# KiCad board nyx.kicad_pcb (continued)
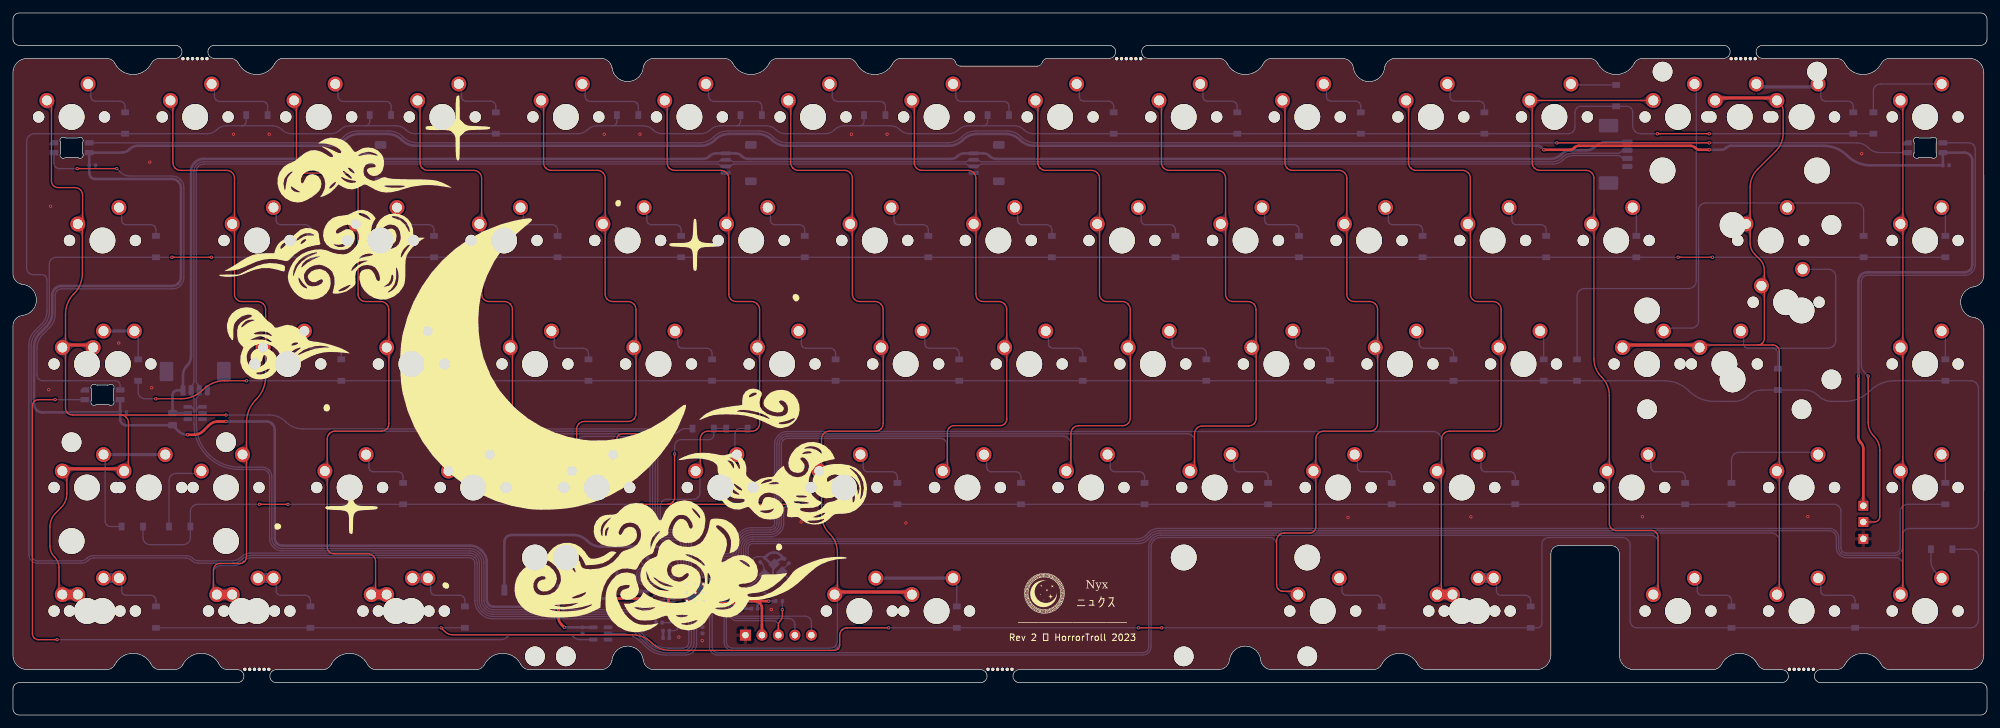
[diagram p0: board, top side]
## Nets
+1V1: C11.1 C12.1 C15.1 U3.23 U3.45 U3.50
+3V3: C2.1 C3.1 C4.1 C5.1 C6.1 C7.1 C8.1 C9.1 C10.1 C14.1 C18.1 J2.2 R3.1 RG1.2 U1.8 U3.1 U3.10 U3.22 U3.33 U3.42 U3.43 U3.44 U3.48 U3.49
+5V: C16.1 C17.1 C19.1 C20.1 C21.1 F1.2 J7.1 LED1.1 LED2.1 LED3.1 RG1.3 U2.5
GND: C1.2 C2.2 C3.2 C4.2 C5.2 C6.2 C7.2 C8.2 C9.2 C10.2 C11.2 C12.2 C13.2 C14.2 C15.2 C16.2 C17.2 C18.2 C19.2 C20.2 C21.2 ESD1.2 J1.4 J2.1 J3.4 J4.1 J5.4 J6.4 J7.3 LED1.4 LED2.4 LED3.4 RG1.1 SW1.1 U1.4 U1.9 U2.3 U3.19 U3.57 Y1.2 Y1.4
VBUS: ESD1.5 F1.1 J1.1 J3.1 J4.4 J5.1 J6.1
/DM: ESD1.6 J1.2 J3.2 J4.3 J5.2 J6.2 R5.2
/DP: ESD1.1 J1.3 J3.3 J4.2 J5.3 J6.3 R4.2
/~{USB_BOOT}: R2.1 SW1.2
ARGB_3V3: U2.2 U3.35
ARGB_5V: LED1.3 U2.4
Col0: MX1.1 MX16.1 MX31.1 MX45.1 MX59.1 MX73.1 MX78.1 MX79.1 U3.5
Col1: MX2.1 MX17.1 MX32.1 MX60.1 MX72.2 MX74.1 U3.36
Col2: MX3.1 MX18.1 MX33.1 MX46.1 MX61.1 MX75.1 U3.4
Col3: MX4.1 MX19.1 MX34.1 MX47.1 U3.3
Col4: MX5.1 MX20.1 MX35.1 MX48.1 U3.2
Col5: MX6.1 MX21.1 MX36.1 MX49.1 U3.6
Col6: MX7.1 MX22.1 MX37.1 MX50.1 MX62.1 MX76.1 U3.27
Col7: MX8.1 MX23.1 MX38.1 MX51.1 U3.14
Col8: MX9.1 MX24.1 MX39.1 MX52.1 U3.13
Col9: MX10.1 MX25.1 MX40.1 MX53.1 U3.12
Col10: MX11.1 MX26.1 MX41.1 MX54.1 MX63.1 U3.30
Col11: MX12.1 MX27.1 MX42.1 MX55.1 MX64.1 MX77.1 U3.11
Col12: MX13.1 MX28.1 MX56.1 MX65.1 MX70.1 U3.29
Col13: MX14.1 MX29.1 MX43.1 MX57.1 MX66.1 MX68.1 MX69.1 MX71.1 U3.18
Col14: MX15.1 MX30.1 MX44.1 MX58.1 MX67.1 U3.17
D+: R4.1 U3.47
D-: R5.1 U3.46
FLASH_nCS: R2.2 U1.1 U3.56
FLASH_SCK: U1.6 U3.52
FLASH_SD0: U1.5 U3.53
FLASH_SD1: U1.2 U3.55
FLASH_SD2: U1.3 U3.54
FLASH_SD3: U1.7 U3.51
Row0: D1.1 D2.1 D3.1 D4.1 D5.1 D6.1 D7.1 D8.1 D9.1 D10.1 D11.1 D12.1 D13.1 D14.1 D15.1 U3.37
Row1: D16.1 D17.1 D18.1 D19.1 D20.1 D21.1 D22.1 D23.1 D24.1 D25.1 D26.1 D27.1 D28.1 D29.1 D30.1 U3.38
Row2: D31.1 D32.1 D33.1 D34.1 D35.1 D36.1 D37.1 D38.1 D39.1 D40.1 D41.1 D42.1 D43.1 D44.1 D68.1 U3.16
Row3: D45.1 D46.1 D47.1 D48.1 D49.1 D50.1 D51.1 D52.1 D53.1 D54.1 D55.1 D56.1 D57.1 D58.1 D69.1 U3.15
Row4: D59.1 D60.1 D61.1 D62.1 D63.1 D64.1 D65.1 D66.1 D67.1 U3.28
SWCLK: J2.5 U3.24
SWDIO: J2.4 U3.25
UG_LED: J7.2 LED3.2
XTAL1: C1.1 U3.20 Y1.3
XTAL2: R1.1 U3.21
~{NRST}: J2.3 R3.2 U3.26
Net-(C13-Pad1): C13.1 R1.2 Y1.1
Net-(D1-A): D1.2 MX1.2
Net-(D2-A): D2.2 MX2.2
Net-(D3-A): D3.2 MX3.2
Net-(D4-A): D4.2 MX4.2
Net-(D5-A): D5.2 MX5.2
Net-(D6-A): D6.2 MX6.2
Net-(D7-A): D7.2 MX7.2
Net-(D8-A): D8.2 MX8.2
Net-(D9-A): D9.2 MX9.2
Net-(D10-A): D10.2 MX10.2
Net-(D11-A): D11.2 MX11.2
Net-(D12-A): D12.2 MX12.2
Net-(D13-A): D13.2 MX13.2
Net-(D14-A): D14.2 MX14.2 MX68.2
Net-(D15-A): D15.2 MX15.2
Net-(D16-A): D16.2 MX16.2
Net-(D17-A): D17.2 MX17.2
Net-(D18-A): D18.2 MX18.2
Net-(D19-A): D19.2 MX19.2
Net-(D20-A): D20.2 MX20.2
Net-(D21-A): D21.2 MX21.2
Net-(D22-A): D22.2 MX22.2
Net-(D23-A): D23.2 MX23.2
Net-(D24-A): D24.2 MX24.2
Net-(D25-A): D25.2 MX25.2
Net-(D26-A): D26.2 MX26.2
Net-(D27-A): D27.2 MX27.2
Net-(D28-A): D28.2 MX28.2
Net-(D29-A): D29.2 MX29.2 MX69.2
Net-(D30-A): D30.2 MX30.2
Net-(D31-A): D31.2 MX31.2 MX78.2
Net-(D32-A): D32.2 MX32.2
Net-(D33-A): D33.2 MX33.2
Net-(D34-A): D34.2 MX34.2
Net-(D35-A): D35.2 MX35.2
Net-(D36-A): D36.2 MX36.2
Net-(D37-A): D37.2 MX37.2
Net-(D38-A): D38.2 MX38.2
Net-(D39-A): D39.2 MX39.2
Net-(D40-A): D40.2 MX40.2
Net-(D41-A): D41.2 MX41.2
Net-(D42-A): D42.2 MX42.2
Net-(D43-A): D43.2 MX43.2 MX71.2
Net-(D44-A): D44.2 MX44.2
Net-(D45-A): D45.2 MX45.2 MX79.2
Net-(D46-A): D46.2 MX46.2
Net-(D47-A): D47.2 MX47.2
Net-(D48-A): D48.2 MX48.2
Net-(D49-A): D49.2 MX49.2
Net-(D50-A): D50.2 MX50.2
Net-(D51-A): D51.2 MX51.2
Net-(D52-A): D52.2 MX52.2
Net-(D53-A): D53.2 MX53.2
Net-(D54-A): D54.2 MX54.2
Net-(D55-A): D55.2 MX55.2
Net-(D56-A): D56.2 MX56.2
Net-(D57-A): D57.2 MX57.2
Net-(D58-A): D58.2 MX58.2
Net-(D59-A): D59.2 MX59.2 MX73.2
Net-(D60-A): D60.2 MX60.2 MX74.2
Net-(D61-A): D61.2 MX61.2 MX75.2
Net-(D62-A): D62.2 MX62.2 MX76.2
Net-(D63-A): D63.2 MX63.2
Net-(D64-A): D64.2 MX64.2 MX77.2
Net-(D65-A): D65.2 MX65.2
Net-(D66-A): D66.2 MX66.2
Net-(D67-A): D67.2 MX67.2
Net-(D68-A): D68.2 MX70.2
Net-(D69-A): D69.2 MX72.1
Net-(LED1-DOUT): LED1.2 LED2.3
Net-(LED2-DOUT): LED2.2 LED3.3

Pads without a net: ESD1 3 4; J1 MP; J3 MP; J4 MP; J5 MP; J6 MP; U2 1; U3 7 8 9 31 32 34 39 40 41

## Via types
v1: diameter 0.5, hole 0.25, Top to Bottom, 66 vias

## Routing (per net, layer and track width the routed paths; a pad name or vN(x,y) marks a point on that pad's centre or on a via; arc(x,y) is an arc through that point)
+1V1: length 27.7
  Top w0.4: v1(107.33,16.85) 107.59,17.11 arc(107.75,17.22) 107.95,17.25 110.87,17.25 arc(111.44,17.14) 111.92,16.82 v1(112.33,16.4) ; v1(102.89,17.08) 101.65,17.08 arc(101.42,17.13) 101.23,17.26 101.21,17.27 arc(101.08,17.47) 101.03,17.7 101.03,18.33 arc(100.98,18.61) 100.82,18.86 100.81,18.87 arc(100.56,19.03) 100.28,19.08 v1(98.4,19.08)
  Bottom w0.2: v1(112.33,16.4) 112.56,16.4 arc(112.08,16.5) 111.66,16.78 arc(111.49,17.03) 111.43,17.32 arc(111.36,17.67) 111.17,17.97 arc(110.82,18.2) 110.41,18.28 U3.23 ; 102.85,17.08 102.86,17.08 v1(102.89,17.08) 102.85,17.08 U3.45 101.31,17.08 arc(100.85,16.99) 100.46,16.73 100.43,16.7 arc(100.17,16.31) 100.08,15.86 C15.1 ; U3.50 v1(98.4,19.08)
  Bottom w0.4: 106.29,16.86 107.32,16.86 v1(107.33,16.85) ; C12.1 v1(98.4,19.08) ; v1(112.33,16.4) 113.56,16.4
+3V3: length 72.1
  Top w0.4: v1(92,17.97) v1(98.4,17.97) ; 114.36,17.57 v1(116.5,17.57) ; 114.36,17.57 v1(112.8,17.57) ; 114.36,17.57 arc(114.78,17.49) 115.14,17.25 115.14,17.25 arc(115.38,16.89) 115.46,16.47 J2.2 ; v1(107.5,18.97) v1(107.5,20.87)
  Bottom w0.18: U1.8 97.32,23.17 arc(97.16,23.2) 97.03,23.29 97.01,23.32 arc(96.92,23.44) 96.89,23.6 C2.1
  Bottom w0.2: 100.65,18.68 100.83,18.5 arc(101.07,18.34) 101.36,18.28 U3.48 U3.49 100.65,18.68 ; 100.65,18.68 99.65,18.68 arc(99.15,18.59) 98.73,18.3 v1(98.4,17.97) ; 101.08,14.25 C14.1 ; 101.08,14.25 101.98,14.25 arc(102.22,14.3) 102.42,14.43 arc(102.54,14.62) 102.58,14.84 ; 101.08,14.25 arc(101.32,14.3) 101.52,14.43 arc(101.69,14.69) 101.75,14.99 U3.43 ; U3.43 U3.42 102.58,14.84 ; U3.43 U3.44 ; 102.58,21.39 102.58,23.09 arc(102.51,23.48) 102.29,23.8 C3.1 ; v1(107.5,20.87) 107.27,21.1 arc(107.19,21.15) 107.1,21.17 106.71,21.17 arc(106.52,21.21) 106.35,21.32 106.33,21.34 arc(106.22,21.5) 106.18,21.69 106.18,24.11 arc(106.34,24.88) 106.77,25.53 C4.1 ; U3.33 106.18,13.67 C7.1 ; C8.1 101.88,13 arc(102.15,13.06) 102.37,13.21 102.38,13.21 arc(102.53,13.44) 102.58,13.71 102.58,14.84 ; v1(112.8,17.57) 112.31,17.57 arc(112.12,17.61) 111.95,17.72 111.95,17.73 arc(111.84,17.89) 111.8,18.08 111.8,18.17 arc(111.76,18.36) 111.65,18.52 111.63,18.54 arc(111.47,18.65) 111.28,18.68 107.89,18.68 arc(107.8,18.7) 107.71,18.76 v1(107.5,18.97)
  Bottom w0.4: RG1.2 C18.1 v1(92,17.97) 92.51,18.49 arc(92.95,19.14) 93.1,19.9 93.1,23.16 arc(93.18,23.54) 93.39,23.87 93.41,23.88 arc(93.73,24.1) 94.11,24.17 C2.1 ; C10.1 v1(98.4,17.97) ; C4.1 C5.1 ; v1(116.5,17.57) R3.1 ; C9.1 C8.1 ; v1(112.8,17.57) C6.1
+5V: length 563.5
  Top w0.4: v1(284.5,52.27) 284.5,42.89 arc(284.6,42.41) 284.87,42.01 284.88,41.99 arc(285.15,41.58) 285.25,41.1 J7.1 ; v1(26.9,43.22) 27.92,43.22 arc(28.69,43.37) 29.34,43.81 30.21,44.69 arc(30.86,45.12) 31.63,45.27 v1(32.85,45.27) ; v1(84.1,17.37) 84.1,15.04 arc(84.21,14.47) 84.54,13.98 v1(85,13.52) ; v1(261.5,87.17) 260.05,87.17 arc(259.66,87.25) 259.34,87.47 259.31,87.5 arc(258.98,87.71) 258.6,87.79 241.41,87.79 arc(241.03,87.71) 240.71,87.5 240.68,87.47 arc(240.35,87.25) 239.97,87.17 v1(236,87.17)
  Bottom w0.4: v1(236,87.17) 235.68,87.5 arc(235.35,87.71) 234.97,87.79 157.43,87.79 arc(156.25,88.02) 155.24,88.7 155.22,88.71 arc(154.22,89.39) 153.03,89.62 148.64,89.62 arc(147.45,89.39) 146.45,88.71 146.43,88.7 arc(145.42,88.02) 144.24,87.79 119.21,87.79 arc(118.02,88.02) 117.02,88.7 117,88.71 arc(115.99,89.39) 114.8,89.62 110.41,89.62 arc(109.23,89.39) 108.22,88.71 108.2,88.7 arc(107.2,88.02) 106.01,87.79 62.13,87.79 arc(60.95,88.02) 59.94,88.7 59.92,88.71 arc(58.92,89.39) 57.73,89.62 53.34,89.62 arc(52.15,89.39) 51.15,88.71 51.13,88.7 arc(50.12,88.02) 48.94,87.79 19.22,87.79 arc(18.56,87.65) 17.99,87.28 17.96,87.25 arc(17.39,86.87) 16.72,86.74 LED2.1 C20.1 11.76,83.59 arc(11.83,83.24) 12.02,82.95 12.04,82.94 arc(12.33,82.74) 12.67,82.67 24.54,82.67 arc(25.06,82.57) 25.5,82.28 25.5,82.27 arc(25.8,81.83) 25.9,81.31 25.9,67.53 arc(25.8,67.01) 25.5,66.58 25.5,66.57 arc(25.06,66.28) 24.54,66.17 7.44,66.17 arc(6.94,66.07) 6.52,65.79 6.43,65.7 arc(6.15,65.28) 6.05,64.78 6.05,62.03 arc(5.82,60.89) 5.17,59.91 4.13,58.87 arc(3.48,57.9) 3.25,56.75 3.25,47.94 arc(3.34,47.46) 3.62,47.06 3.63,47.04 arc(4.04,46.77) 4.52,46.67 C19.1 ; v1(261.5,87.17) 263.39,87.17 arc(263.77,87.25) 264.09,87.47 264.12,87.5 arc(264.45,87.71) 264.83,87.79 279.14,87.79 arc(281.09,87.4) 282.74,86.29 282.77,86.27 arc(284.43,85.16) 286.38,84.77 C21.1 LED3.1 300.84,86.74 arc(301.3,86.65) 301.69,86.39 301.7,86.37 arc(301.96,85.98) 302.05,85.53 302.05,69.45 arc(301.96,69.01) 301.71,68.64 301.69,68.61 arc(301.31,68.36) 300.87,68.27 285.81,68.27 arc(285.35,68.18) 284.96,67.92 284.85,67.81 arc(284.59,67.42) 284.5,66.96 v1(284.5,52.27) ; C19.1 16.53,48.64 ; C19.1 16.53,45.62 arc(16.59,45.28) 16.79,44.98 16.81,44.96 arc(17.1,44.77) 17.45,44.7 F1.2 25.5,43.79 arc(26.14,43.37) 26.88,43.22 v1(26.9,43.22) ; v1(85,13.52) C16.1 U2.5 ; RG1.3 C17.1 v1(84.1,17.37) 83.72,16.99 arc(83.39,16.77) 83.01,16.7 74.11,16.7 arc(73.71,16.78) 73.37,17 73.35,17.02 arc(73.13,17.36) 73.05,17.76 73.05,23.57 arc(72.87,24.47) 72.36,25.24 72.16,25.43 arc(71.4,25.94) 70.5,26.12 41.51,26.12 arc(41.07,26.21) 40.7,26.46 40.69,26.47 arc(40.44,26.84) 40.35,27.28 40.35,44 arc(40.26,44.48) 39.99,44.88 39.97,44.91 arc(39.56,45.18) 39.08,45.27 v1(32.85,45.27)
GND: length 31.7
  Bottom w0.18: U1.4 99,21.97 arc(98.91,21.99) 98.83,22.05 98.5,22.37 U1.9 98.5,23.11 arc(98.42,23.49) 98.21,23.82 C2.2
  Bottom w0.2: C1.2 115.8,24.35 arc(115.72,24.4) 115.63,24.42 114.72,24.42 arc(114.47,24.37) 114.26,24.23 114.24,24.21 arc(114.1,24) 114.05,23.75 114.05,22.85 arc(113.9,22.09) 113.46,21.44 112.79,20.76 arc(111.82,20.11) 110.67,19.88 U3.19 107.11,19.88 arc(106.76,19.95) 106.47,20.15 U3.57
  Bottom w0.3: Y1.2 117.15,20.67 117.15,23.07
  Bottom w0.4: C11.2 C6.2 ; C8.2 C9.2 ; C15.2 C14.2 ; C4.2 C5.2 ; RG1.1 88.45,19.87 arc(88.74,19.82) 88.98,19.65 C18.2 ; 116.9,23.25 C1.2 116.26,24.63 arc(116.75,24.96) 117.32,25.07 117.33,25.07 arc(117.88,24.96) 118.36,24.65 C13.2 118.57,24.08 arc(118.18,24) 117.86,23.78 Y1.4 116.9,23.25
  vias: v1(5.5,50.17) v1(5.8,78.47) v1(16.3,57.37) v1(21.1,85.27) v1(21.4,50.47) v1(34,89.57) v1(39.5,89.57) v1(91.15,89.57) v1(94.65,20.27) v1(96.65,89.57) v1(102.65,12.02) v1(106.25,11.47) v1(116.9,16.27) v1(121.5,29.77) v1(129.25,89.57) v1(134.75,89.57) v1(137.65,29.62) v1(205.8,30.47) v1(224.75,30.57) v1(251.2,30.57) v1(276.7,30.62) v1(285,86.57)
VBUS: length 265.9
  Bottom w0.4: ESD1.5 F1.1 24.6,49.31 arc(24.66,49.6) 24.82,49.84 24.84,49.86 arc(25.08,50.02) 25.37,50.08 J1.1 26.21,52.43 arc(26.36,53.2) 26.8,53.85 26.86,53.92 arc(27.3,54.57) 27.45,55.33 27.45,83.9 arc(27.58,84.57) 27.96,85.14 28.09,85.26 arc(28.65,85.64) 29.32,85.77 49.34,85.77 arc(49.86,85.87) 50.29,86.17 50.35,86.23 arc(50.79,86.52) 51.31,86.62 J3.1 54.29,86.62 arc(54.81,86.52) 55.25,86.23 55.31,86.17 arc(55.74,85.87) 56.26,85.77 106.41,85.77 arc(106.93,85.87) 107.37,86.17 107.43,86.23 arc(107.87,86.52) 108.38,86.62 J5.1 111.37,86.62 arc(111.88,86.52) 112.32,86.23 112.38,86.17 arc(112.82,85.87) 113.34,85.77 144.64,85.77 arc(145.16,85.87) 145.59,86.17 145.65,86.23 arc(146.09,86.52) 146.61,86.62 J6.1 149.59,86.62 arc(150.11,86.52) 150.55,86.23 150.61,86.17 arc(151.04,85.87) 151.56,85.77 237.07,85.77 arc(237.93,85.94) 238.66,86.43 238.67,86.44 arc(239.39,86.93) 240.26,87.1 242.51,87.1 arc(243.31,87.26) 243.99,87.71 244.01,87.73 arc(244.69,88.19) 245.5,88.35 J4.4
/DM: length 354.7
  Bottom w0.2: R5.2 95.55,15.75 arc(95.38,15.86) 95.19,15.9 74.03,15.9 arc(73.39,16.02) 72.86,16.38 72.73,16.51 arc(72.37,17.04) 72.25,17.68 72.25,23.49 arc(72.11,24.16) 71.73,24.73 71.65,24.81 arc(71.09,25.19) 70.42,25.32 41.43,25.32 arc(40.76,25.46) 40.19,25.83 40.07,25.96 arc(39.69,26.53) 39.56,27.2 39.56,36.77 arc(39.47,37.19) 39.23,37.54 39.23,37.55 arc(38.87,37.79) 38.45,37.87 34.86,37.87 arc(32.22,38.4) 29.98,39.89 29.93,39.95 arc(28.44,42.18) 27.91,44.82 27.91,46.88 ; J4.3 248.18,87.1 247.91,86.84 arc(247.7,86.7) 247.46,86.65 240.44,86.65 arc(239.58,86.48) 238.85,85.99 238.84,85.98 arc(238.11,85.49) 237.25,85.32 149.37,85.32 arc(149.12,85.37) 148.91,85.51 148.8,85.62 J6.2 147.4,85.62 147.29,85.51 arc(147.08,85.37) 146.83,85.32 111.14,85.32 arc(110.9,85.37) 110.69,85.51 110.58,85.62 J5.2 109.18,85.62 109.06,85.51 arc(108.85,85.37) 108.61,85.32 54.07,85.32 arc(53.82,85.37) 53.61,85.51 53.5,85.62 J3.2 52.1,85.62 51.99,85.51 arc(51.78,85.37) 51.53,85.32 29.39,85.32 arc(28.83,85.21) 28.36,84.9 28.32,84.86 arc(28.01,84.39) 27.9,83.84 27.9,51.42 arc(27.85,51.19) 27.72,51 27.46,50.73 J1.2 27.46,49.41 27.74,49.14 arc(27.87,48.94) 27.91,48.71 27.91,46.88 ; ESD1.6 27.52,47.52 27.74,47.3 arc(27.87,47.11) 27.91,46.88
/DP: length 353.8
  Bottom w0.2: R4.2 95.82,16.62 95.6,16.39 arc(95.43,16.28) 95.24,16.25 74.05,16.25 arc(73.53,16.35) 73.09,16.64 72.99,16.74 arc(72.7,17.18) 72.6,17.7 72.6,23.51 arc(72.44,24.3) 72,24.96 71.89,25.07 arc(71.22,25.52) 70.44,25.67 41.45,25.67 arc(40.9,25.78) 40.43,26.1 40.33,26.19 arc(40.02,26.66) 39.9,27.22 39.9,36.79 arc(39.8,37.32) 39.49,37.78 39.46,37.81 arc(39.01,38.12) 38.47,38.22 34.88,38.22 arc(32.36,38.72) 30.22,40.15 30.19,40.18 arc(28.76,42.32) 28.26,44.84 28.26,46.89 ; 28.26,46.89 28.26,48.69 arc(28.31,48.91) 28.44,49.11 28.71,49.38 J1.3 28.71,50.76 28.43,51.05 arc(28.3,51.24) 28.25,51.47 28.25,83.82 arc(28.34,84.26) 28.59,84.63 28.59,84.64 arc(28.97,84.88) 29.41,84.97 51.48,84.97 arc(51.73,84.92) 51.94,84.78 52.1,84.62 J3.3 53.5,84.62 53.66,84.78 arc(53.87,84.92) 54.12,84.97 108.56,84.97 arc(108.8,84.92) 109.02,84.78 109.18,84.62 J5.3 110.58,84.62 110.73,84.78 arc(110.95,84.92) 111.19,84.97 146.78,84.97 arc(147.03,84.92) 147.24,84.78 147.4,84.62 J6.3 148.8,84.62 148.96,84.78 arc(149.17,84.92) 149.42,84.97 237.4,84.97 arc(238.26,85.14) 238.99,85.63 239,85.64 arc(239.73,86.13) 240.59,86.3 247.46,86.3 arc(247.7,86.25) 247.92,86.11 248.18,85.85 J4.2 ; 28.26,46.89 arc(28.31,47.11) 28.44,47.31 28.65,47.52 ESD1.1
/~{USB_BOOT}: length 33.3
  Bottom w0.4: SW1.2 75.75,26.67 arc(75.83,27.09) 76.07,27.44 76.08,27.45 arc(76.43,27.69) 76.86,27.77 86.36,27.77 arc(87.51,27.54) 88.48,26.89 88.52,26.85 arc(89.49,26.2) 90.64,25.97 99.1,25.97 arc(99.48,25.9) 99.8,25.68 R2.1
ARGB_3V3: length 20.1
  Bottom w0.2: U2.2 93.66,12.57 arc(95.37,12.23) 96.81,11.27 97.51,10.56 arc(98.96,9.6) 100.66,9.26 103.68,9.26 arc(104.33,9.39) 104.89,9.76 arc(105.26,10.31) 105.38,10.96 U3.35
ARGB_5V: length 131.1
  Top w0.2: v1(6.5,48.64) 3.96,48.64 arc(3.6,48.57) 3.29,48.36 3.28,48.35 arc(3.07,48.04) 3,47.68 3,12.55 arc(3.07,12.2) 3.26,11.91 3.29,11.89 arc(3.58,11.69) 3.92,11.62 v1(6.8,11.62)
  Bottom w0.2: LED1.3 v1(6.5,48.64) ; v1(6.8,11.62) 75.23,11.62 arc(75.71,11.72) 76.12,11.99 76.13,12.01 arc(76.54,12.28) 77.02,12.37 85.58,12.37 arc(86.06,12.28) 86.47,12.01 86.48,11.99 arc(86.89,11.72) 87.37,11.62 U2.4
Col0: length 218
  Top w0.2: 16.62,46.27 9.16,46.27 arc(8.76,46.35) 8.42,46.58 8.41,46.59 arc(8.18,46.93) 8.1,47.33 8.1,56.18 MX78.1 8.1,57.17 8.1,61.85 arc(8.43,63.53) 9.39,64.96 9.41,64.98 arc(10.37,66.41) 10.7,68.09 10.7,75.01 MX16.1 10.73,76.48 10.73,80.17 arc(10.65,80.61) 10.4,80.99 10.38,81 arc(10.01,81.25) 9.57,81.34 6.96,81.34 arc(6.58,81.42) 6.25,81.63 6.23,81.66 arc(6.01,81.98) 5.93,82.36 5.93,94.07 MX1.1 ; 16.62,46.27 v1(32.85,46.27) ; 16.62,46.27 arc(17.06,46.18) 17.44,45.94 17.46,45.91 arc(17.71,45.54) 17.8,45.1 17.8,38.3 MX45.1 ; MX59.1 7.1,19.08 7.1,22.7 arc(6.92,23.6) 6.41,24.36 6.39,24.38 arc(5.88,25.15) 5.7,26.05 5.7,29.03 arc(5.93,30.18) 6.58,31.15 7.42,31.99 arc(8.07,32.97) 8.3,34.11 8.3,36.93 MX79.1
  Top w0.5: MX45.1 16.79,37.97 7.95,37.97 MX79.1 ; MX31.1 11.97,57.07 8,57.07 MX78.1
  Top w1.5: MX59.1 MX73.1
  Bottom w0.2: v1(32.85,46.27) 39.49,46.27 arc(40.88,45.99) 42.07,45.2 42.08,45.19 arc(43.27,44.4) 44.66,44.12 97.63,44.12 arc(98.3,43.99) 98.86,43.61 98.89,43.58 arc(99.27,43.02) 99.4,42.35 99.4,29.33 arc(99.48,28.91) 99.72,28.55 99.78,28.49 arc(100.13,28.26) 100.56,28.17 102.51,28.17 arc(103.1,28.05) 103.6,27.72 103.73,27.59 arc(104.07,27.09) 104.18,26.5 U3.5
Col1: length 190.8
  Top w0.2: MX60.1 30.9,19.1 30.9,22.36 arc(30.98,22.74) 31.19,23.07 31.21,23.08 arc(31.53,23.3) 31.91,23.37 34.99,23.37 arc(35.37,23.45) 35.69,23.67 35.71,23.68 arc(35.92,24) 36,24.39 36,39.55 MX72.2 36,40.78 36,45.1 arc(36.38,47.01) 37.46,48.64 37.49,48.66 arc(38.57,50.28) 38.95,52.19 38.95,56.29 MX32.1 38.95,57.07 38.95,62.52 arc(38.85,63) 38.58,63.4 38.58,63.41 arc(38.18,63.68) 37.7,63.77 35.27,63.77 arc(34.85,63.86) 34.49,64.09 34.47,64.12 arc(34.23,64.47) 34.15,64.89 34.15,75.38 MX17.1 34.15,76.08 34.15,82.79 arc(34.06,83.25) 33.8,83.64 33.79,83.64 arc(33.4,83.9) 32.94,84 25.83,84 arc(25.39,84.08) 25.01,84.33 24.99,84.36 arc(24.74,84.73) 24.65,85.17 24.65,94.4 MX2.1
  Top w1.5: MX60.1 MX74.1
  Bottom w0.2: MX60.1 30.9,19.1 30.9,21.9 arc(30.99,22.34) 31.24,22.71 31.26,22.74 arc(31.64,22.98) 32.08,23.07 34.06,23.07 arc(34.83,23.22) 35.47,23.66 35.5,23.69 arc(36.15,24.12) 36.92,24.27 70.34,24.27 arc(70.67,24.21) 70.95,24.02 70.95,24.02 arc(71.13,23.75) 71.2,23.42 71.2,17.62 arc(71.39,16.64) 71.94,15.81 72.16,15.6 arc(72.99,15.04) 73.96,14.85 91.88,14.85 arc(93.58,14.51) 95.03,13.55 97.66,10.92 arc(99.1,9.95) 100.8,9.61 103.48,9.61 arc(104.05,9.73) 104.54,10.05 104.55,10.06 arc(104.87,10.54) 104.98,11.12 U3.36
Col2: length 187.8
  Top w0.2: MX3.1 43.7,94.4 43.7,84.75 arc(43.79,84.31) 44.04,83.94 44.06,83.91 arc(44.44,83.67) 44.88,83.58 51.99,83.58 arc(52.45,83.49) 52.84,83.23 52.85,83.22 arc(53.11,82.83) 53.2,82.37 53.2,76.08 MX18.1 53.2,75.38 53.2,64.89 arc(53.28,64.47) 53.52,64.12 53.54,64.09 arc(53.9,63.86) 54.32,63.77 56.7,63.77 arc(57.18,63.68) 57.58,63.41 57.58,63.4 arc(57.85,63) 57.95,62.52 57.95,57.02 MX33.1 57.95,56.34 57.95,44.95 arc(57.86,44.51) 57.61,44.14 57.59,44.11 arc(57.21,43.86) 56.77,43.77 49.63,43.77 arc(49.19,43.68) 48.81,43.44 48.79,43.41 arc(48.54,43.04) 48.45,42.6 48.45,37.99 MX46.1 48.45,37.26 48.45,25.89 arc(48.53,25.5) 48.74,25.18 48.76,25.17 arc(49.08,24.95) 49.46,24.87 54.72,24.87 arc(55.16,24.78) 55.54,24.54 55.56,24.51 arc(55.81,24.14) 55.9,23.7 55.9,19.25 MX61.1
  Top w1.5: MX61.1 MX75.1
  Bottom w0.2: MX46.1 48.45,37.99 48.45,42.6 arc(48.54,43.04) 48.79,43.41 48.81,43.44 arc(49.19,43.68) 49.63,43.77 97.5,43.77 arc(98.05,43.66) 98.52,43.35 98.58,43.3 arc(98.89,42.83) 99,42.27 99,29.25 arc(99.11,28.72) 99.41,28.26 99.49,28.18 arc(99.94,27.88) 100.48,27.77 102.47,27.77 arc(102.95,27.68) 103.35,27.41 103.42,27.34 arc(103.69,26.93) 103.78,26.45 U3.4
Col3: length 139
  Top w0.2: MX4.1 62.75,94.4 62.75,85.17 arc(62.84,84.73) 63.09,84.36 63.11,84.33 arc(63.49,84.08) 63.93,84 71.04,84 arc(71.5,83.9) 71.89,83.64 71.9,83.64 arc(72.16,83.25) 72.25,82.79 72.25,76.08 MX19.1 72.25,75.38 72.25,64.89 arc(72.33,64.47) 72.57,64.12 72.59,64.09 arc(72.95,63.86) 73.37,63.77 75.75,63.77 arc(76.23,63.68) 76.63,63.41 76.63,63.4 arc(76.9,63) 77,62.52 77,57.02 MX34.1 77,56.34 77,44.95 arc(76.91,44.51) 76.66,44.14 76.64,44.11 arc(76.26,43.86) 75.82,43.77 69.03,43.77 arc(68.59,43.68) 68.21,43.44 68.19,43.41 arc(67.94,43.04) 67.85,42.6 67.85,38.34 MX47.1
  Bottom w0.2: MX47.1 67.8,38.29 67.8,42.36 arc(67.88,42.74) 68.09,43.07 68.11,43.08 arc(68.43,43.3) 68.81,43.37 97.42,43.37 arc(97.86,43.28) 98.24,43.04 98.26,43.01 arc(98.51,42.64) 98.6,42.2 98.6,29.18 arc(98.73,28.53) 99.1,27.97 99.2,27.87 arc(99.75,27.5) 100.4,27.37 102.39,27.37 arc(102.75,27.3) 103.06,27.09 103.11,27.05 arc(103.31,26.74) 103.38,26.38 U3.3
Col4: length 118.8
  Top w0.2: MX5.1 81.8,94.4 81.8,85.17 arc(81.89,84.73) 82.14,84.36 82.16,84.33 arc(82.54,84.08) 82.98,84 90.09,84 arc(90.55,83.9) 90.94,83.64 90.95,83.64 arc(91.21,83.25) 91.3,82.79 91.3,76.08 MX20.1 91.3,75.38 91.3,64.89 arc(91.38,64.47) 91.62,64.12 91.64,64.09 arc(92,63.86) 92.42,63.77 94.8,63.77 arc(95.28,63.68) 95.68,63.41 95.68,63.4 arc(95.95,63) 96.05,62.52 96.05,57.02 MX35.1 96.05,56.34 96.05,46.45 arc(95.96,46.01) 95.71,45.64 95.69,45.61 arc(95.31,45.36) 94.87,45.27 88.08,45.27 arc(87.64,45.18) 87.26,44.94 87.24,44.91 arc(86.99,44.54) 86.9,44.1 86.9,38.34 MX48.1
  Bottom w0.2: MX48.1 86.9,38.34 86.9,41.8 arc(86.99,42.24) 87.24,42.61 87.26,42.64 arc(87.64,42.88) 88.08,42.97 97.35,42.97 arc(97.67,42.91) 97.95,42.72 97.95,42.72 arc(98.14,42.45) 98.2,42.12 98.2,29.1 arc(98.35,28.34) 98.79,27.69 98.92,27.55 arc(99.57,27.12) 100.34,26.96 102.32,26.96 arc(102.57,26.92) 102.78,26.77 102.79,26.76 arc(102.94,26.55) 102.98,26.3 U3.2
Col5: length 102.8
  Top w0.2: MX49.1 105.95,38.34 105.95,42.6 arc(106.04,43.04) 106.29,43.41 106.31,43.44 arc(106.69,43.68) 107.13,43.77 113.92,43.77 arc(114.36,43.86) 114.74,44.11 114.76,44.14 arc(115.01,44.51) 115.1,44.95 115.1,56.34 MX36.1 115.1,57.02 115.1,62.52 arc(115,63) 114.73,63.4 114.73,63.41 arc(114.33,63.68) 113.85,63.77 111.47,63.77 arc(111.05,63.86) 110.69,64.09 110.67,64.12 arc(110.43,64.47) 110.35,64.89 110.35,75.38 MX21.1 110.35,76.08 110.35,82.79 arc(110.26,83.25) 110,83.64 109.99,83.64 arc(109.6,83.9) 109.14,84 102,84 arc(101.56,84.08) 101.19,84.33 101.19,84.34 arc(100.94,84.71) 100.85,85.15 100.85,94.4 MX6.1
  Bottom w0.2: MX49.1 105.9,36.96 105.9,34.29 arc(105.82,33.9) 105.61,33.58 105.59,33.57 arc(105.27,33.35) 104.89,33.27 100.81,33.27 arc(100.43,33.2) 100.11,32.98 100.09,32.97 arc(99.88,32.64) 99.8,32.26 99.8,29.4 arc(99.86,29.1) 100.03,28.84 100.07,28.81 arc(100.33,28.63) 100.63,28.57 102.53,28.57 arc(103.24,28.43) 103.84,28.03 104.04,27.83 arc(104.44,27.23) 104.58,26.52 U3.6
Col6: length 143.2
  Top w0.2: MX7.1 119.9,94.4 119.9,85.17 arc(119.99,84.73) 120.24,84.36 120.26,84.33 arc(120.64,84.08) 121.08,84 128.19,84 arc(128.65,83.9) 129.04,83.64 129.05,83.64 arc(129.31,83.25) 129.4,82.79 129.4,76.08 MX22.1 129.4,75.38 129.4,64.89 arc(129.48,64.47) 129.72,64.12 129.74,64.09 arc(130.1,63.86) 130.52,63.77 132.9,63.77 arc(133.38,63.68) 133.78,63.41 133.78,63.4 arc(134.05,63) 134.15,62.52 134.15,57.02 MX37.1 134.15,56.34 134.15,44.95 arc(134.06,44.51) 133.81,44.14 133.79,44.11 arc(133.41,43.86) 132.97,43.77 125.83,43.77 arc(125.39,43.68) 125.01,43.44 124.99,43.41 arc(124.74,43.04) 124.65,42.6 124.65,37.99 MX50.1 124.65,37.26 124.65,30.94 arc(124.97,29.35) 125.87,28.01 125.88,27.99 arc(126.78,26.64) 127.1,25.05 127.1,19.01 MX62.1
  Top w0.5: MX76.1 138.18,18.97 127.06,18.97 MX62.1
  Bottom w0.2: MX62.1 127.1,18.15 127.1,11.43 arc(127.02,11.01) 126.78,10.65 126.76,10.63 arc(126.4,10.39) 125.98,10.31 110.94,10.31 arc(110.58,10.38) 110.27,10.58 110.26,10.59 arc(110.06,10.9) 109.98,11.27 109.98,14.12 109.99,14.12 109.99,16.19 arc(109.95,16.38) 109.84,16.54 arc(109.68,16.65) 109.5,16.68 U3.27
Col7: length 137
  Top w0.2: MX8.1 138.95,94.4 138.95,85.17 arc(139.04,84.73) 139.29,84.36 139.31,84.33 arc(139.69,84.08) 140.13,84 147.24,84 arc(147.7,83.9) 148.09,83.64 148.1,83.64 arc(148.36,83.25) 148.45,82.79 148.45,76.08 MX23.1 148.45,75.38 148.45,64.89 arc(148.53,64.47) 148.77,64.12 148.79,64.09 arc(149.15,63.86) 149.57,63.77 151.95,63.77 arc(152.43,63.68) 152.83,63.41 152.83,63.4 arc(153.1,63) 153.2,62.52 153.2,57.02 MX38.1 153.2,56.34 153.2,45.64 arc(153.12,45.26) 152.91,44.94 152.89,44.92 arc(152.57,44.71) 152.19,44.63 145.07,44.63 arc(144.69,44.55) 144.37,44.34 144.34,44.32 arc(144.13,43.99) 144.05,43.61 144.05,38.34 MX51.1
  Bottom w0.2: U3.14 107.78,22.99 arc(107.83,23.24) 107.98,23.45 108.01,23.48 arc(108.22,23.62) 108.47,23.67 110.18,23.67 arc(110.75,23.79) 111.24,24.11 111.49,24.36 arc(111.82,24.85) 111.93,25.42 111.93,25.81 arc(112.07,26.54) 112.49,27.15 112.62,27.29 arc(113.24,27.7) 113.96,27.84 116.79,27.84 arc(117.39,27.96) 117.89,28.3 118.01,28.42 arc(118.35,28.92) 118.46,29.51 118.46,41.75 arc(118.53,42.1) 118.73,42.39 118.75,42.41 arc(119.04,42.6) 119.39,42.67 142.99,42.67 arc(143.37,42.6) 143.69,42.38 143.71,42.37 arc(143.92,42.04) 144,41.66 144,38.29 MX51.1
Col8: length 156.8
  Top w0.2: MX9.1 158,94.4 158,85.17 arc(158.09,84.73) 158.34,84.36 158.36,84.33 arc(158.74,84.08) 159.18,84 166.29,84 arc(166.75,83.9) 167.14,83.64 167.15,83.64 arc(167.41,83.25) 167.5,82.79 167.5,76.08 MX24.1 167.5,75.38 167.5,64.89 arc(167.58,64.47) 167.82,64.12 167.84,64.09 arc(168.2,63.86) 168.62,63.77 171,63.77 arc(171.48,63.68) 171.88,63.41 171.88,63.4 arc(172.15,63) 172.25,62.52 172.25,57.02 MX39.1 172.25,56.34 172.25,45.8 arc(172.16,45.36) 171.91,44.99 171.89,44.96 arc(171.51,44.71) 171.07,44.62 164.28,44.62 arc(163.84,44.53) 163.46,44.29 163.44,44.26 arc(163.19,43.89) 163.1,43.45 163.1,38.34 MX52.1
  Bottom w0.2: MX52.1 163.1,38.34 163.1,41.75 arc(163,42.23) 162.73,42.64 162.72,42.66 arc(162.31,42.93) 161.83,43.02 119.36,43.02 arc(118.91,42.93) 118.52,42.67 118.47,42.62 arc(118.21,42.23) 118.11,41.77 118.11,29.53 arc(118.02,29.06) 117.75,28.65 117.66,28.56 arc(117.25,28.29) 116.77,28.19 113.94,28.19 arc(113.1,28.02) 112.39,27.55 112.22,27.39 arc(111.75,26.67) 111.58,25.83 111.58,25.44 arc(111.49,24.98) 111.23,24.6 111.06,24.42 arc(110.67,24.16) 110.21,24.07 108.39,24.07 arc(108.03,24) 107.72,23.79 107.66,23.74 arc(107.46,23.43) 107.38,23.06 U3.13
Col9: length 178.2
  Top w0.2: MX53.1 182.15,38.34 182.15,43.4 arc(182.24,43.84) 182.49,44.21 182.51,44.24 arc(182.89,44.48) 183.33,44.57 190.47,44.57 arc(190.91,44.66) 191.29,44.91 191.31,44.94 arc(191.56,45.31) 191.65,45.75 191.65,55.99 MX40.1 191.63,57.35 191.63,62.52 arc(191.54,63) 191.27,63.4 191.27,63.41 arc(190.86,63.68) 190.38,63.77 188.06,63.77 arc(187.63,63.86) 187.28,64.09 187.26,64.12 arc(187.02,64.47) 186.93,64.89 186.93,74.99 MX25.1 186.93,76.46 186.93,82.79 arc(186.84,83.25) 186.58,83.64 186.58,83.64 arc(186.19,83.9) 185.73,84 178.23,84 arc(177.79,84.08) 177.41,84.33 177.39,84.36 arc(177.14,84.73) 177.05,85.17 177.05,94.4 MX10.1
  Bottom w0.2: MX53.1 182.15,38.34 182.15,42.27 arc(182.07,42.69) 181.83,43.04 181.82,43.05 arc(181.47,43.29) 181.05,43.37 119.34,43.37 arc(118.77,43.26) 118.28,42.93 118.2,42.85 arc(117.88,42.37) 117.76,41.79 117.76,29.56 arc(117.69,29.19) 117.49,28.88 117.42,28.82 arc(117.11,28.61) 116.75,28.54 113.92,28.54 arc(112.97,28.35) 112.15,27.81 111.96,27.62 arc(111.42,26.81) 111.23,25.85 111.23,25.46 arc(111.16,25.12) 110.97,24.83 110.88,24.74 arc(110.58,24.54) 110.24,24.47 108.32,24.47 arc(107.84,24.38) 107.43,24.11 107.35,24.02 arc(107.08,23.62) 106.98,23.14 U3.12
Col10: length 226.7
  Top w0.2: MX63.1 197.61,19.07 195.81,19.07 arc(195.43,19.15) 195.11,19.37 195.09,19.38 arc(194.88,19.7) 194.8,20.09 194.8,26.9 arc(194.89,27.34) 195.14,27.71 195.16,27.74 arc(195.54,27.98) 195.98,28.07 199.93,28.07 arc(200.27,28.14) 200.56,28.34 200.59,28.36 arc(200.78,28.65) 200.85,29 200.85,37.26 MX54.1 200.85,37.99 200.85,42.6 arc(200.94,43.04) 201.19,43.41 201.21,43.44 arc(201.59,43.68) 202.03,43.77 209.2,43.77 arc(209.64,43.86) 210.01,44.11 210.04,44.14 arc(210.29,44.51) 210.38,44.95 210.38,56.31 MX41.1 210.38,57.04 210.38,62.52 arc(210.28,63) 210.01,63.4 210.01,63.41 arc(209.6,63.68) 209.12,63.77 206.75,63.77 arc(206.32,63.86) 205.97,64.09 205.95,64.12 arc(205.71,64.47) 205.63,64.89 205.63,75.35 MX26.1 205.63,76.1 205.63,82.79 arc(205.53,83.25) 205.27,83.64 205.27,83.64 arc(204.88,83.9) 204.42,84 197.25,84 arc(196.81,84.08) 196.44,84.33 196.44,84.34 arc(196.19,84.71) 196.1,85.15 196.1,94.4 MX11.1
  Bottom w0.2: MX63.1 197.61,19.07 195.81,19.07 arc(195.43,19.15) 195.11,19.37 195.09,19.38 arc(194.88,19.7) 194.8,20.09 194.8,26.36 arc(194.72,26.74) 194.51,27.07 194.49,27.08 arc(194.17,27.3) 193.78,27.37 176.86,27.37 arc(176.33,27.27) 175.87,26.96 175.86,26.95 arc(175.56,26.49) 175.45,25.96 175.45,10.55 arc(175.35,10.07) 175.08,9.66 175.05,9.62 arc(174.64,9.35) 174.16,9.26 108.57,9.26 arc(108.15,9.34) 107.79,9.58 107.71,9.67 arc(107.47,10.02) 107.38,10.44 U3.30
Col11: length 236
  Top w0.2: MX55.1 220.2,36.96 220.2,19.24 MX77.1 ; MX12.1 215.15,94.4 215.15,85.17 arc(215.24,84.73) 215.49,84.36 215.51,84.33 arc(215.89,84.08) 216.33,84 223.47,84 arc(223.93,83.9) 224.32,83.64 224.32,83.64 arc(224.58,83.25) 224.68,82.79 224.68,76.1 MX27.1 224.68,75.35 224.68,64.89 arc(224.76,64.47) 225,64.12 225.02,64.09 arc(225.37,63.86) 225.8,63.77 228.17,63.77 arc(228.65,63.68) 229.06,63.41 229.06,63.4 arc(229.33,63) 229.43,62.52 229.43,57.04 MX42.1 229.43,56.31 229.43,44.95 arc(229.34,44.51) 229.09,44.14 229.06,44.11 arc(228.69,43.86) 228.25,43.77 221.43,43.77 arc(220.99,43.68) 220.61,43.44 220.59,43.41 arc(220.34,43.04) 220.25,42.6 220.25,38.34
  Top w1.5: MX77.1 MX64.1
  Bottom w0.2: U3.11 106.58,23.16 arc(106.7,23.76) 107.04,24.26 107.2,24.42 arc(107.7,24.75) 108.29,24.87 110.27,24.87 arc(110.5,24.92) 110.69,25.05 110.71,25.06 arc(110.84,25.26) 110.88,25.48 110.88,25.87 arc(111.09,26.94) 111.7,27.85 111.92,28.07 arc(112.83,28.68) 113.9,28.89 116.73,28.89 arc(116.98,28.94) 117.19,29.08 117.22,29.12 arc(117.37,29.33) 117.42,29.58 117.42,41.81 arc(117.55,42.5) 117.94,43.09 118.05,43.19 arc(118.63,43.58) 119.32,43.72 218.93,43.72 arc(219.41,43.63) 219.82,43.35 219.83,43.34 arc(220.1,42.93) 220.2,42.45 220.2,38.29
Col12: length 289.3
  Top w0.2: MX65.1 253.6,19.3 253.6,27.46 arc(253.52,27.84) 253.31,28.17 253.29,28.18 arc(252.97,28.4) 252.59,28.47 247.11,28.47 arc(246.73,28.55) 246.41,28.77 246.39,28.78 arc(246.18,29.1) 246.1,29.49 246.1,37.26 MX56.1 246.1,38 246.1,49.27 arc(245.8,50.8) 244.93,52.1 244.9,52.13 arc(244.03,53.43) 243.73,54.96 243.73,75.35 MX28.1 243.73,76.1 243.73,82.79 arc(243.63,83.25) 243.37,83.64 243.37,83.64 arc(242.98,83.9) 242.52,84 235.38,84 arc(234.94,84.08) 234.56,84.33 234.54,84.36 arc(234.29,84.73) 234.2,85.17 234.2,94.4 MX13.1 MX70.1
  Bottom w0.2: U3.29 107.78,10.51 arc(107.85,10.17) 108.05,9.87 108.05,9.87 arc(108.34,9.68) 108.69,9.61 174.14,9.61 arc(174.51,9.68) 174.81,9.89 174.82,9.89 arc(175.03,10.2) 175.1,10.57 175.1,25.98 arc(175.23,26.63) 175.6,27.18 175.64,27.23 arc(176.19,27.59) 176.84,27.72 252.49,27.72 arc(252.91,27.64) 253.27,27.4 253.28,27.39 arc(253.52,27.04) 253.6,26.62 253.6,19.3 MX65.1
